# Altium PCB S7CAS-PLEIADES-CARTE-MERE_P07 - BACKUP.PcbDoc (part 1 of 3) (continued)
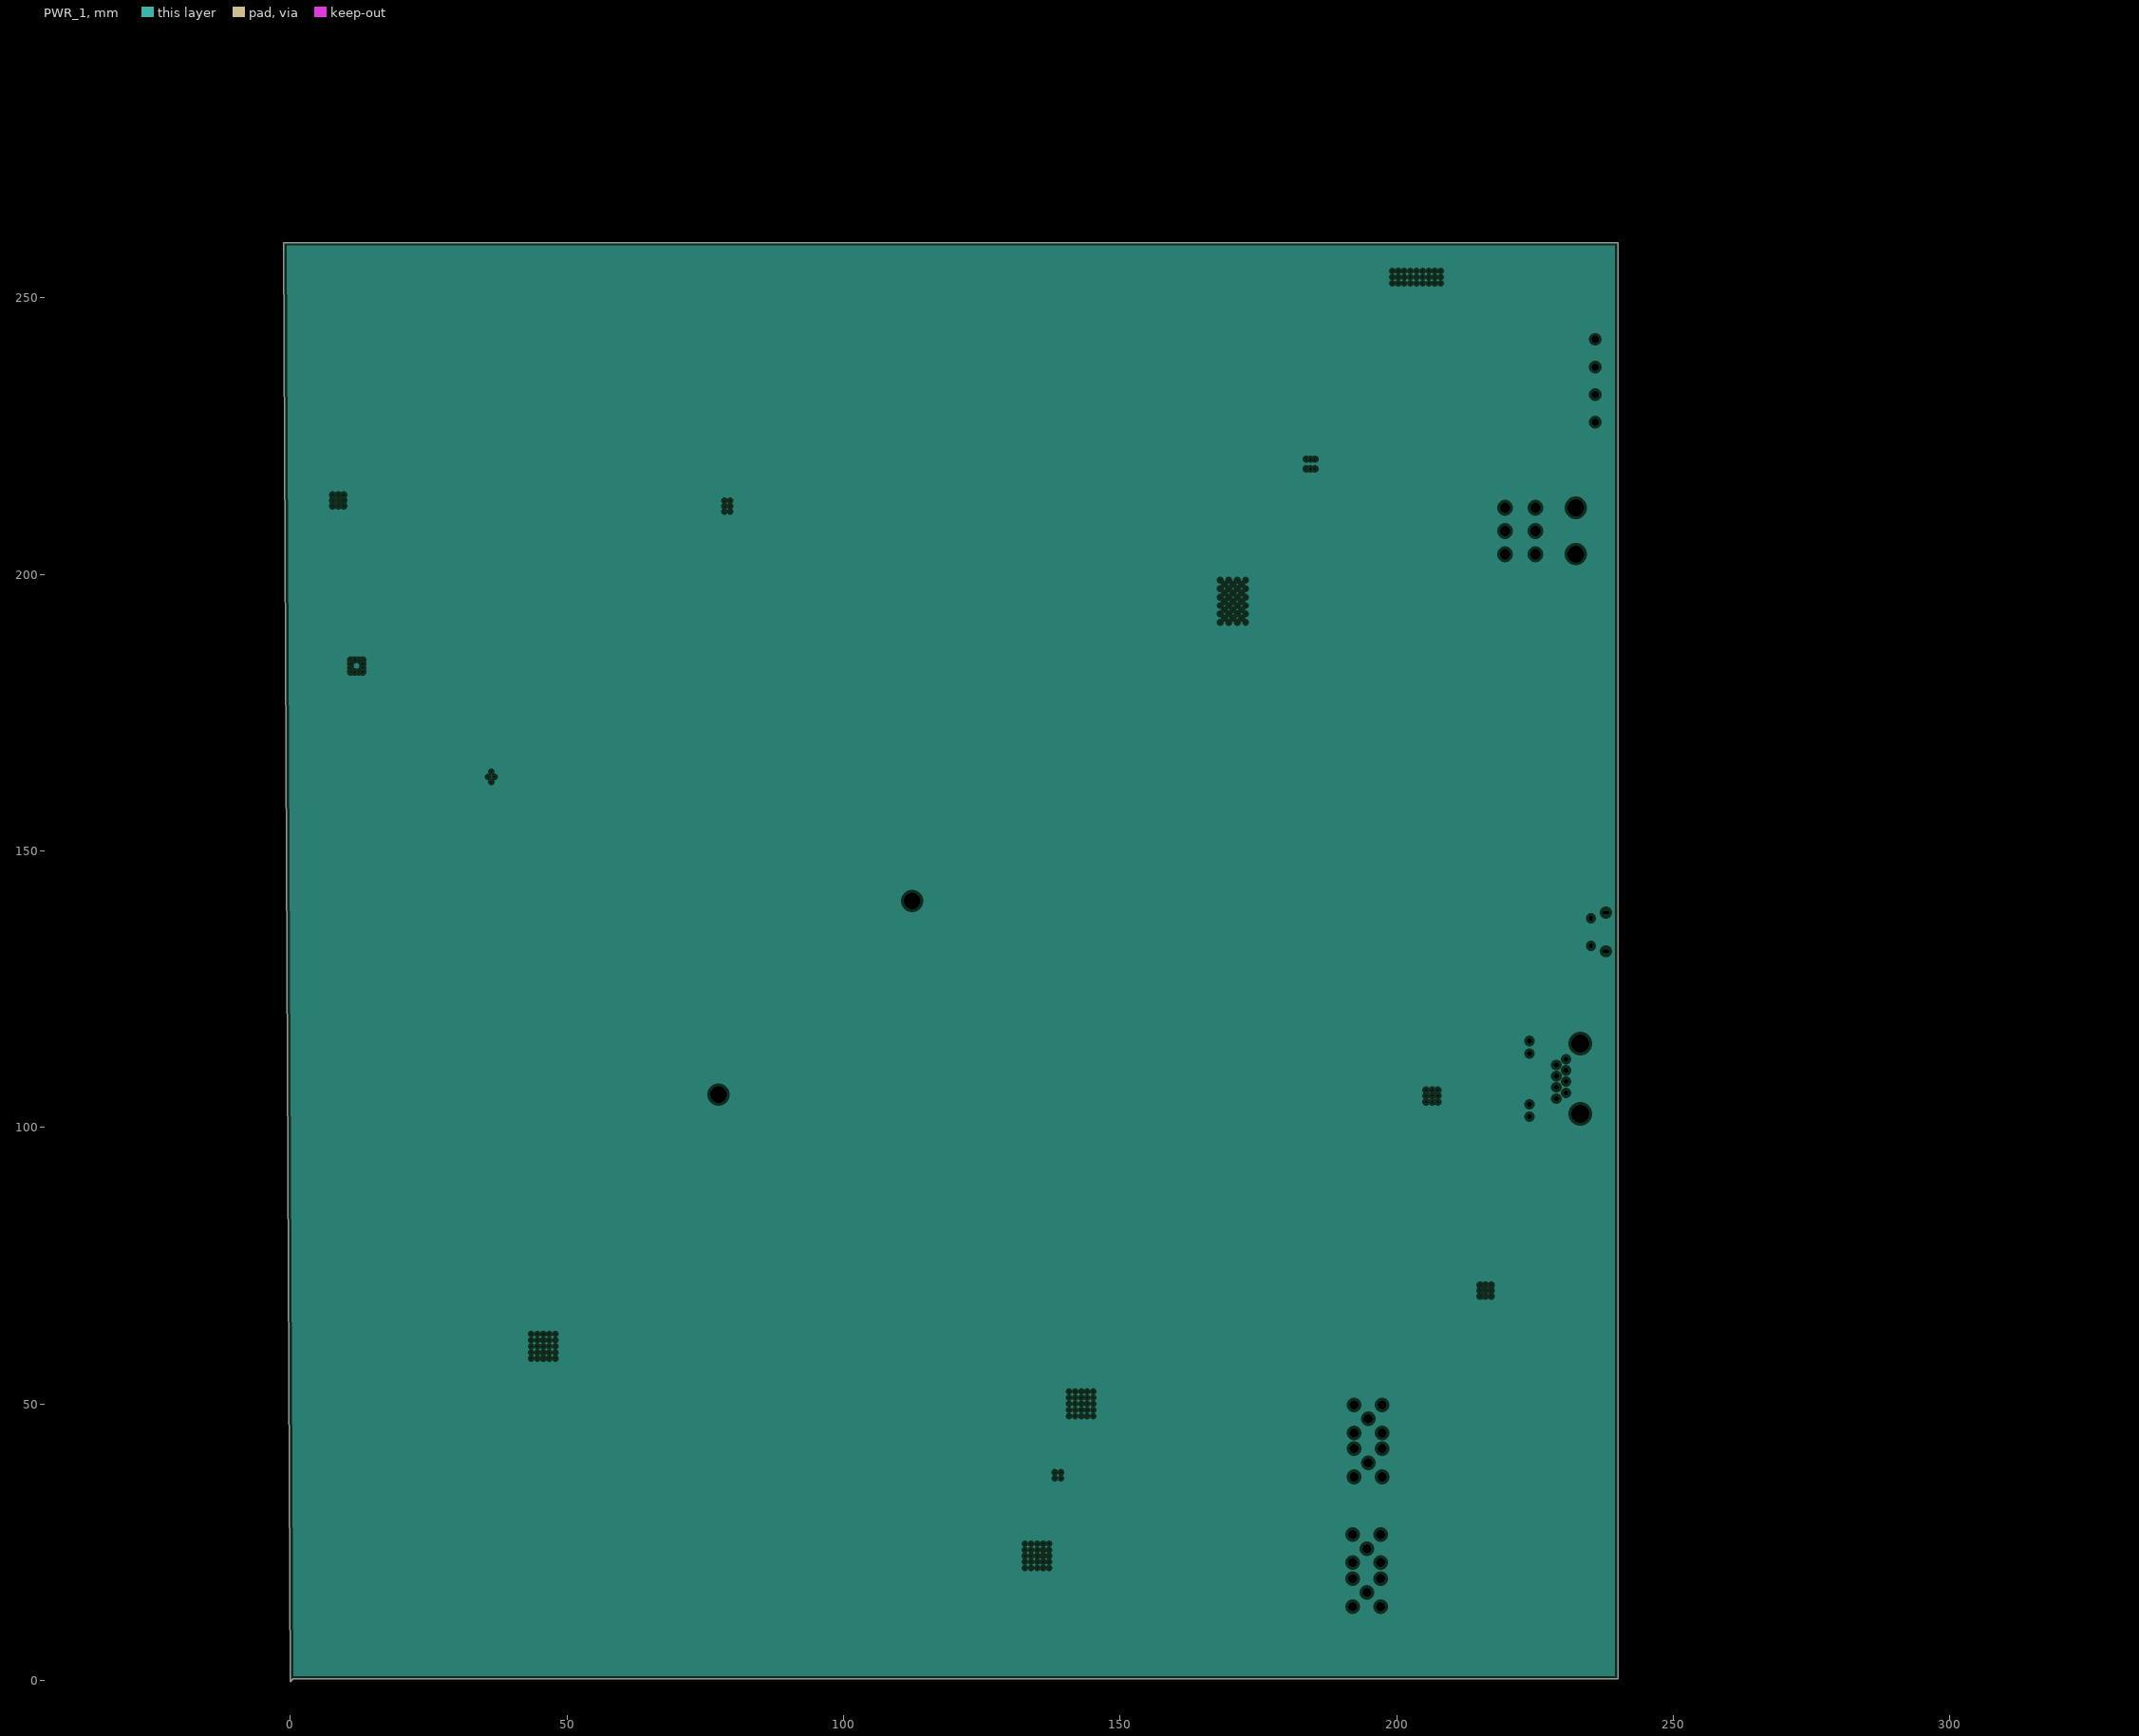
[diagram p4: PWR_1, clearances drawn from the general rule]
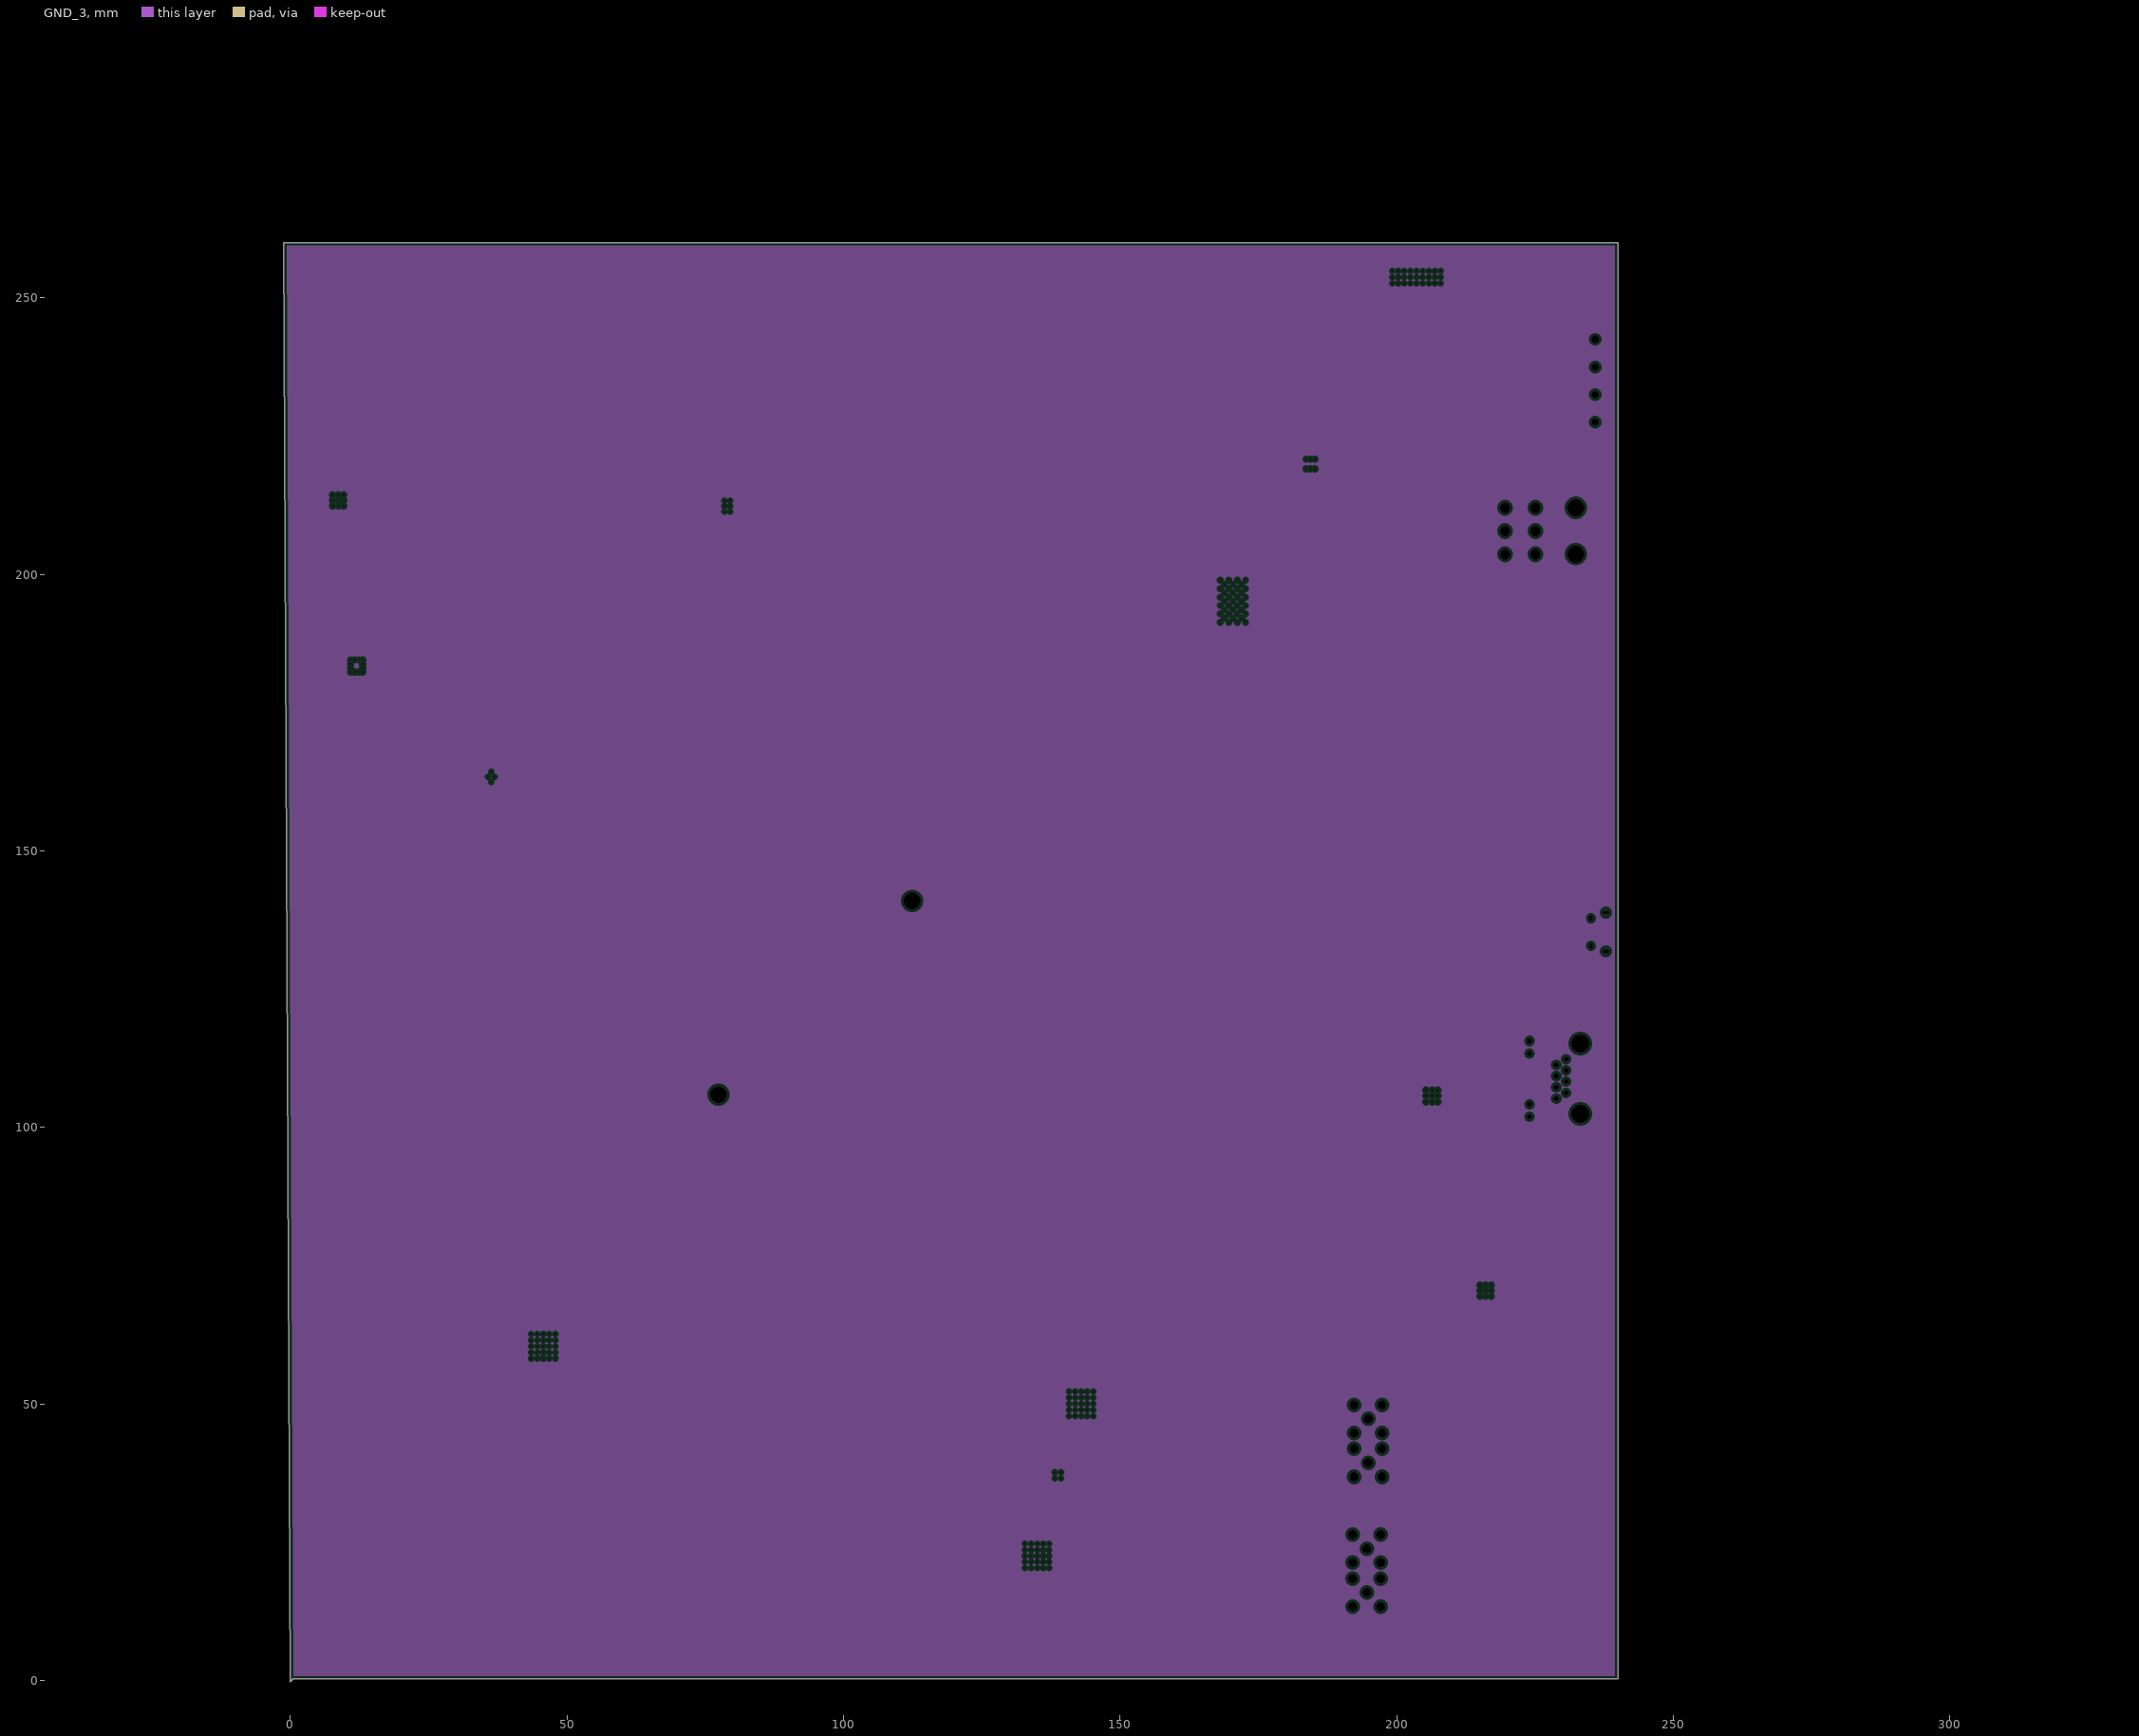
[diagram p5: GND_3, clearances drawn from the general rule]
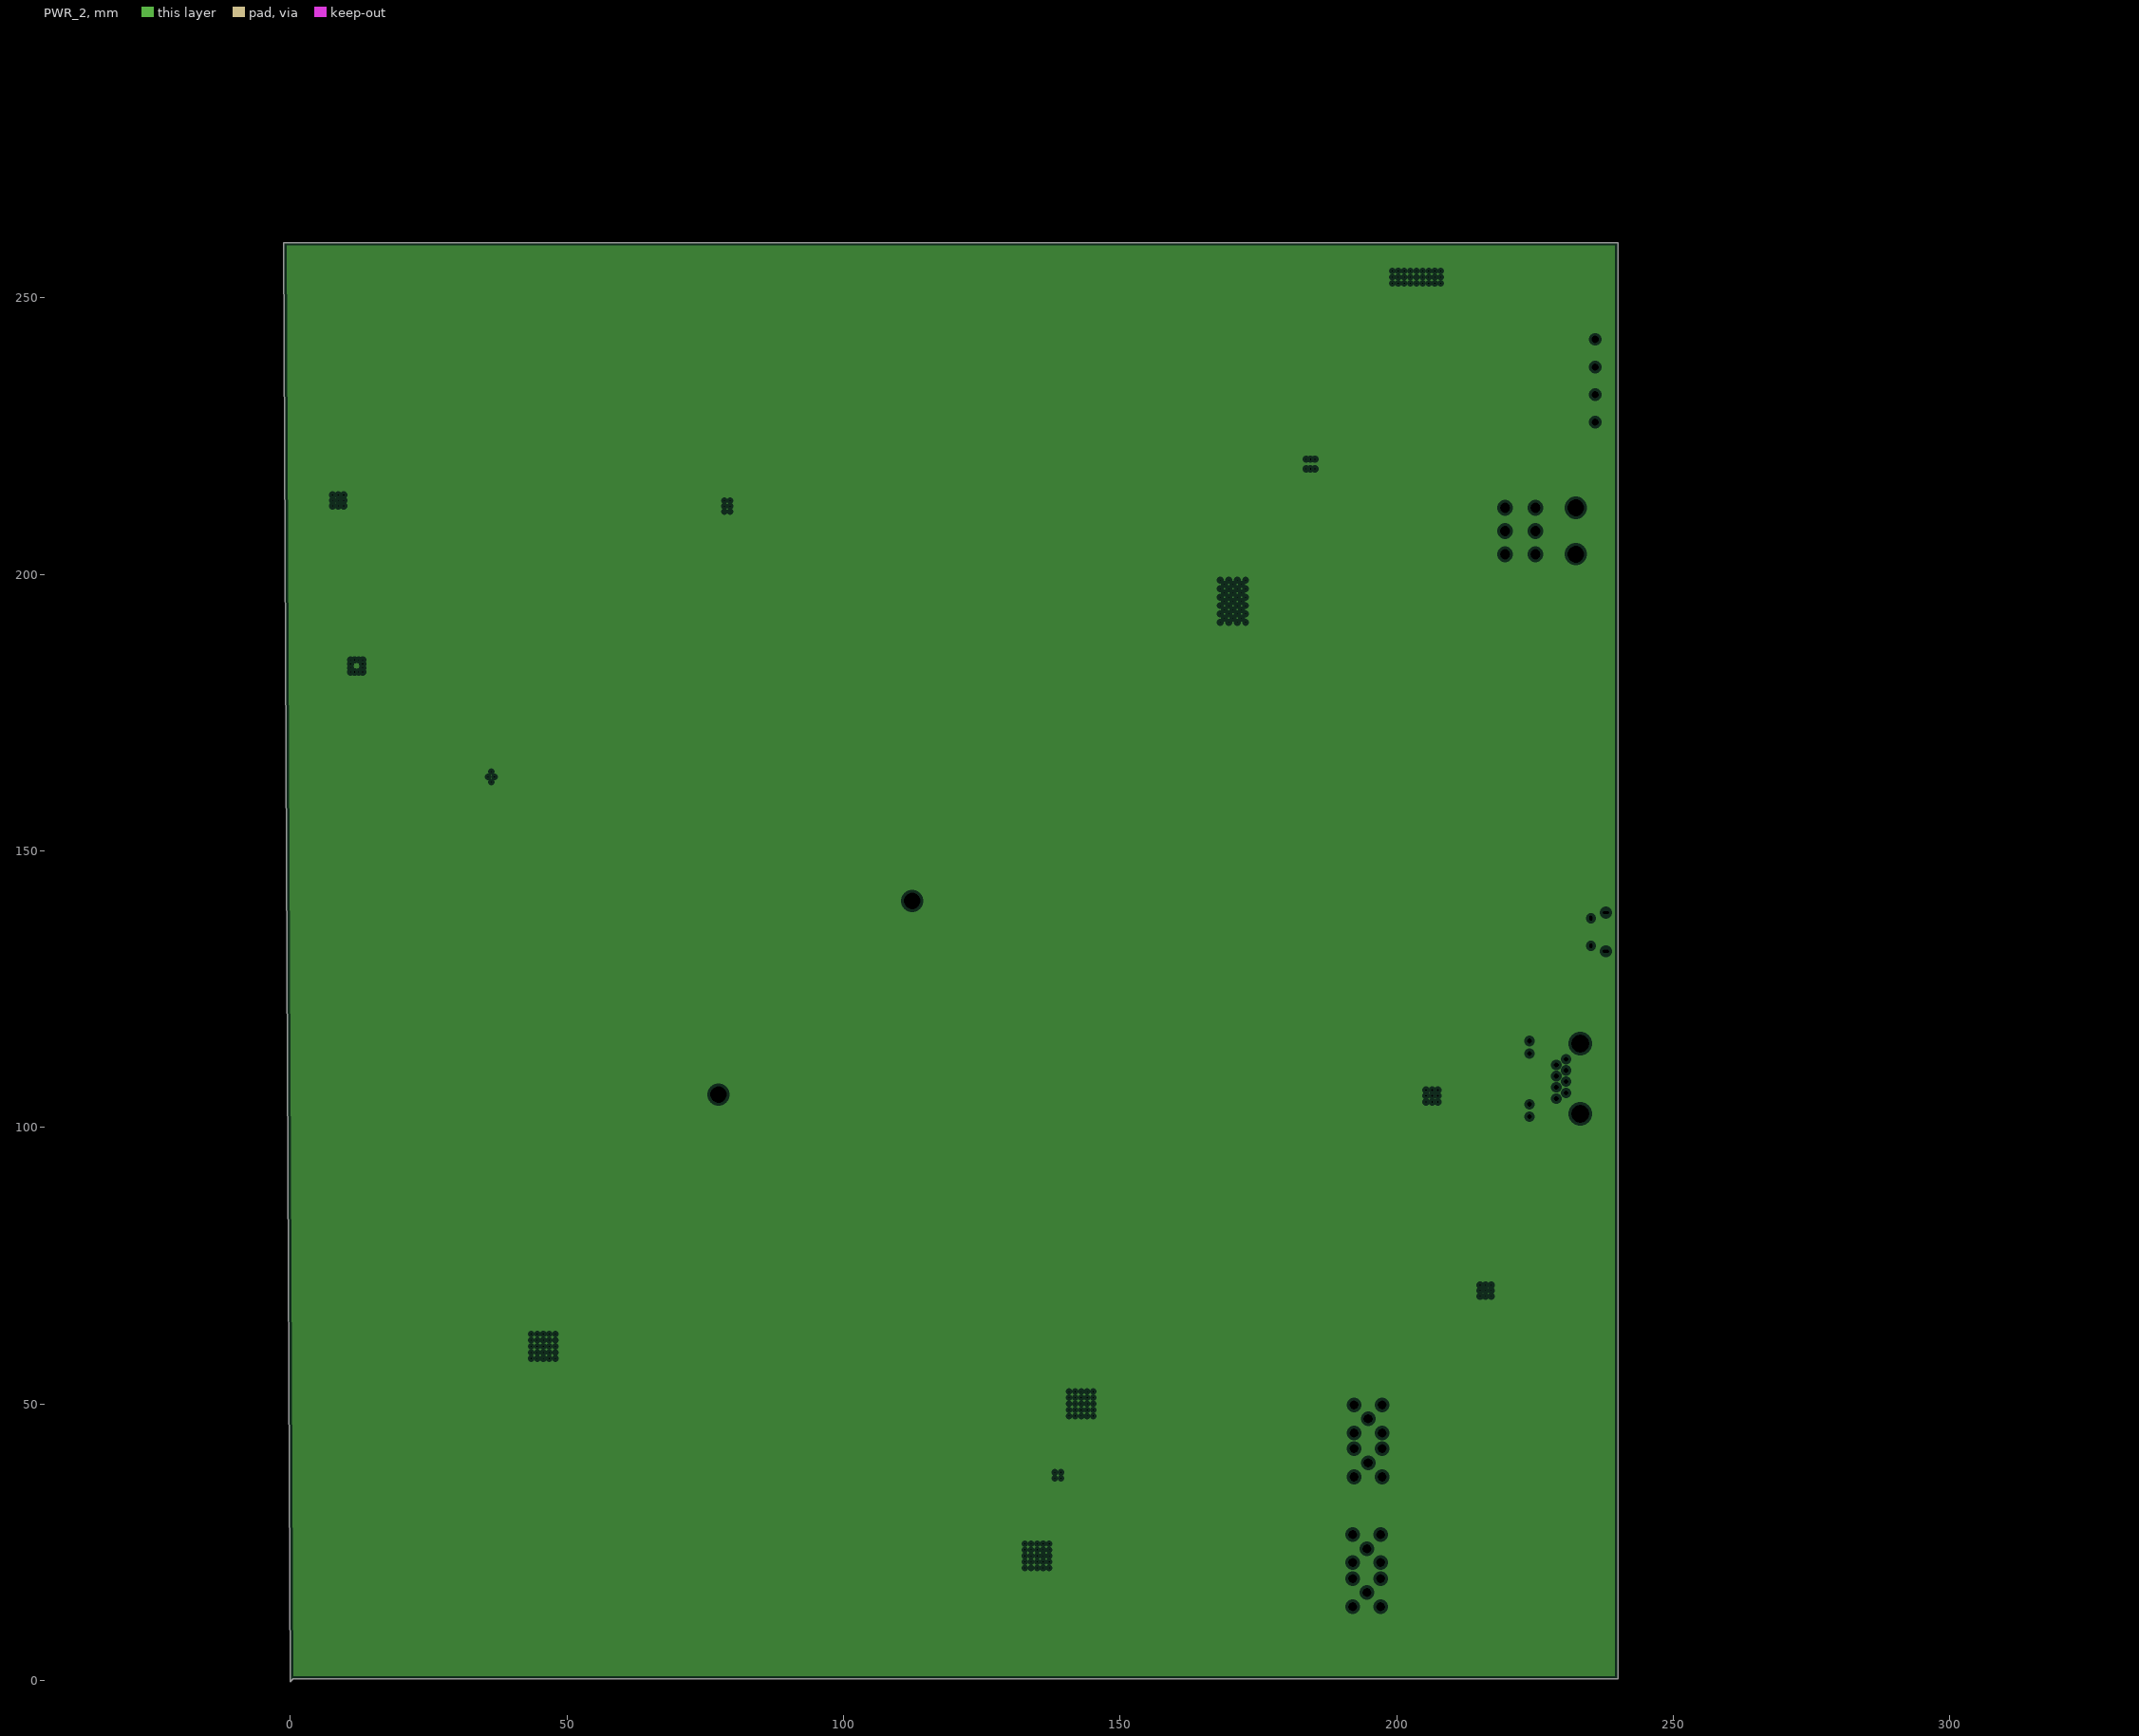
[diagram p6: PWR_2, clearances drawn from the general rule]
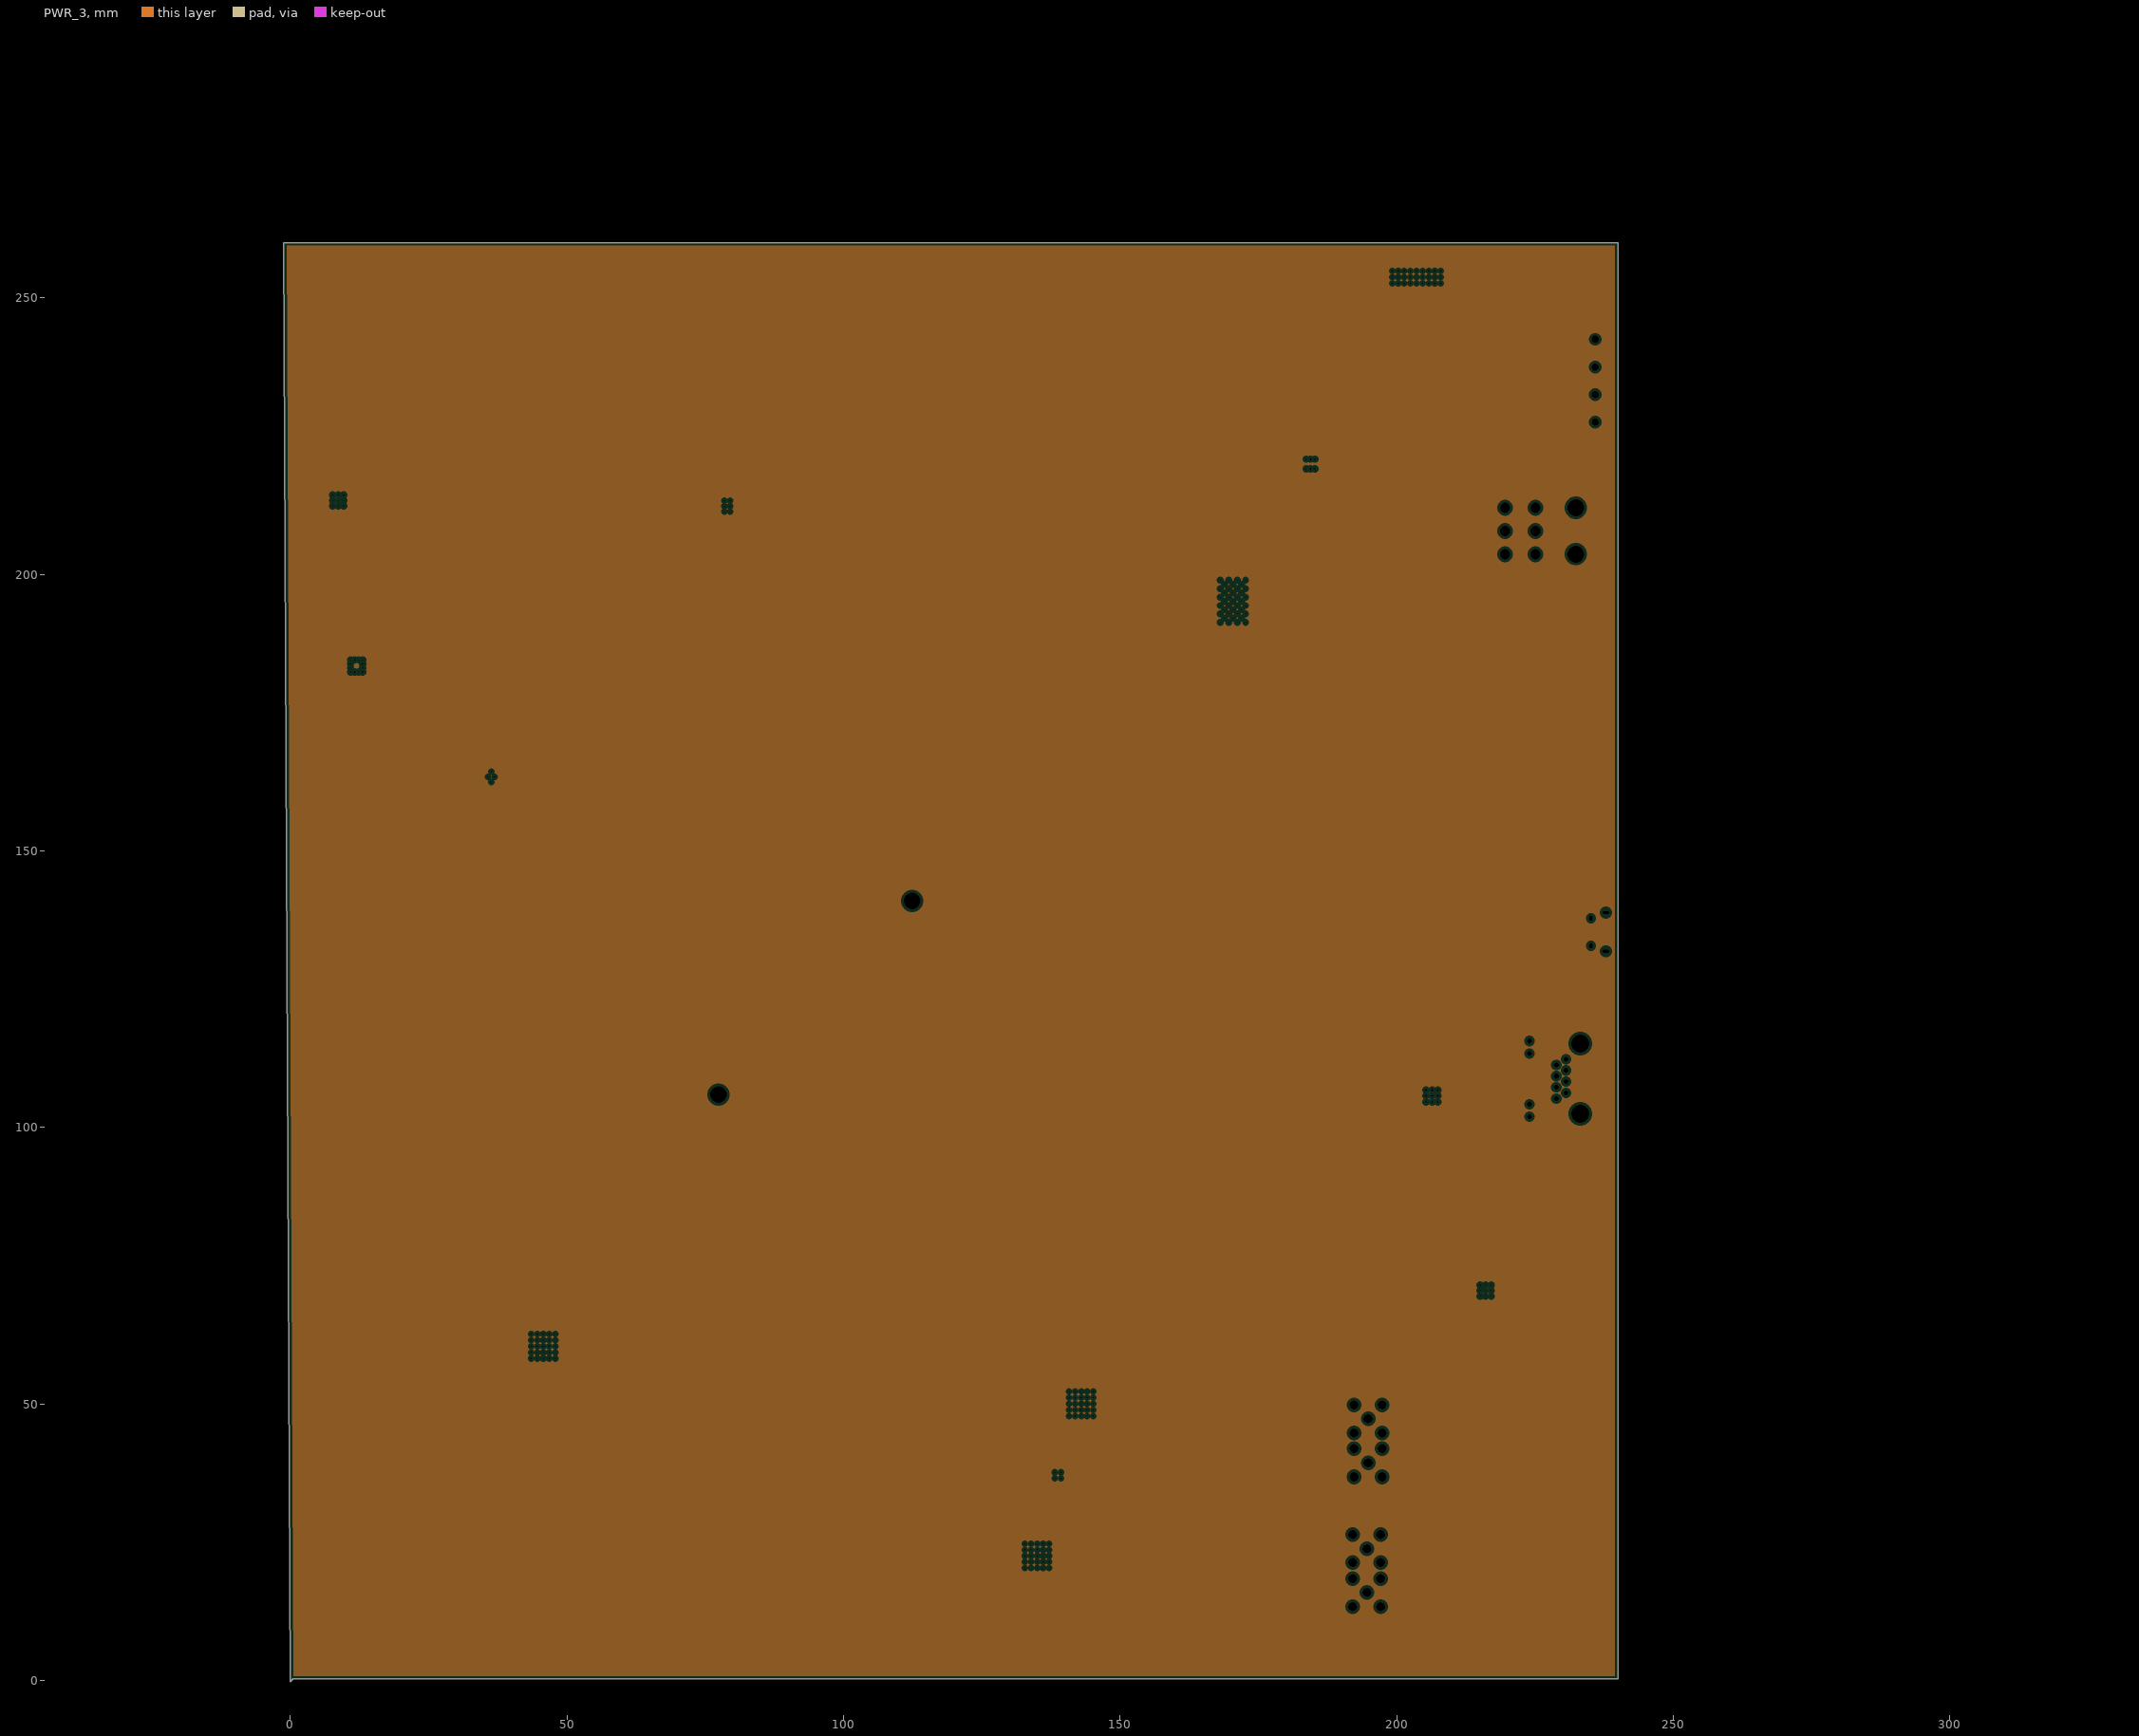
[diagram p7: PWR_3, clearances drawn from the general rule]